# Altium PCB pcb.PcbDoc (part 3 of 3)
Units mil, origin at the board's own origin, x right, y up, seen from the top; angles counter-clockwise.
Board outline 4487.66 x 5255 mil, 2 copper layers (Top Layer, Bottom Layer); 214 components, 192 nets, 883 pads, 298 vias.
Unrouted connection lines stored in the file: 2.
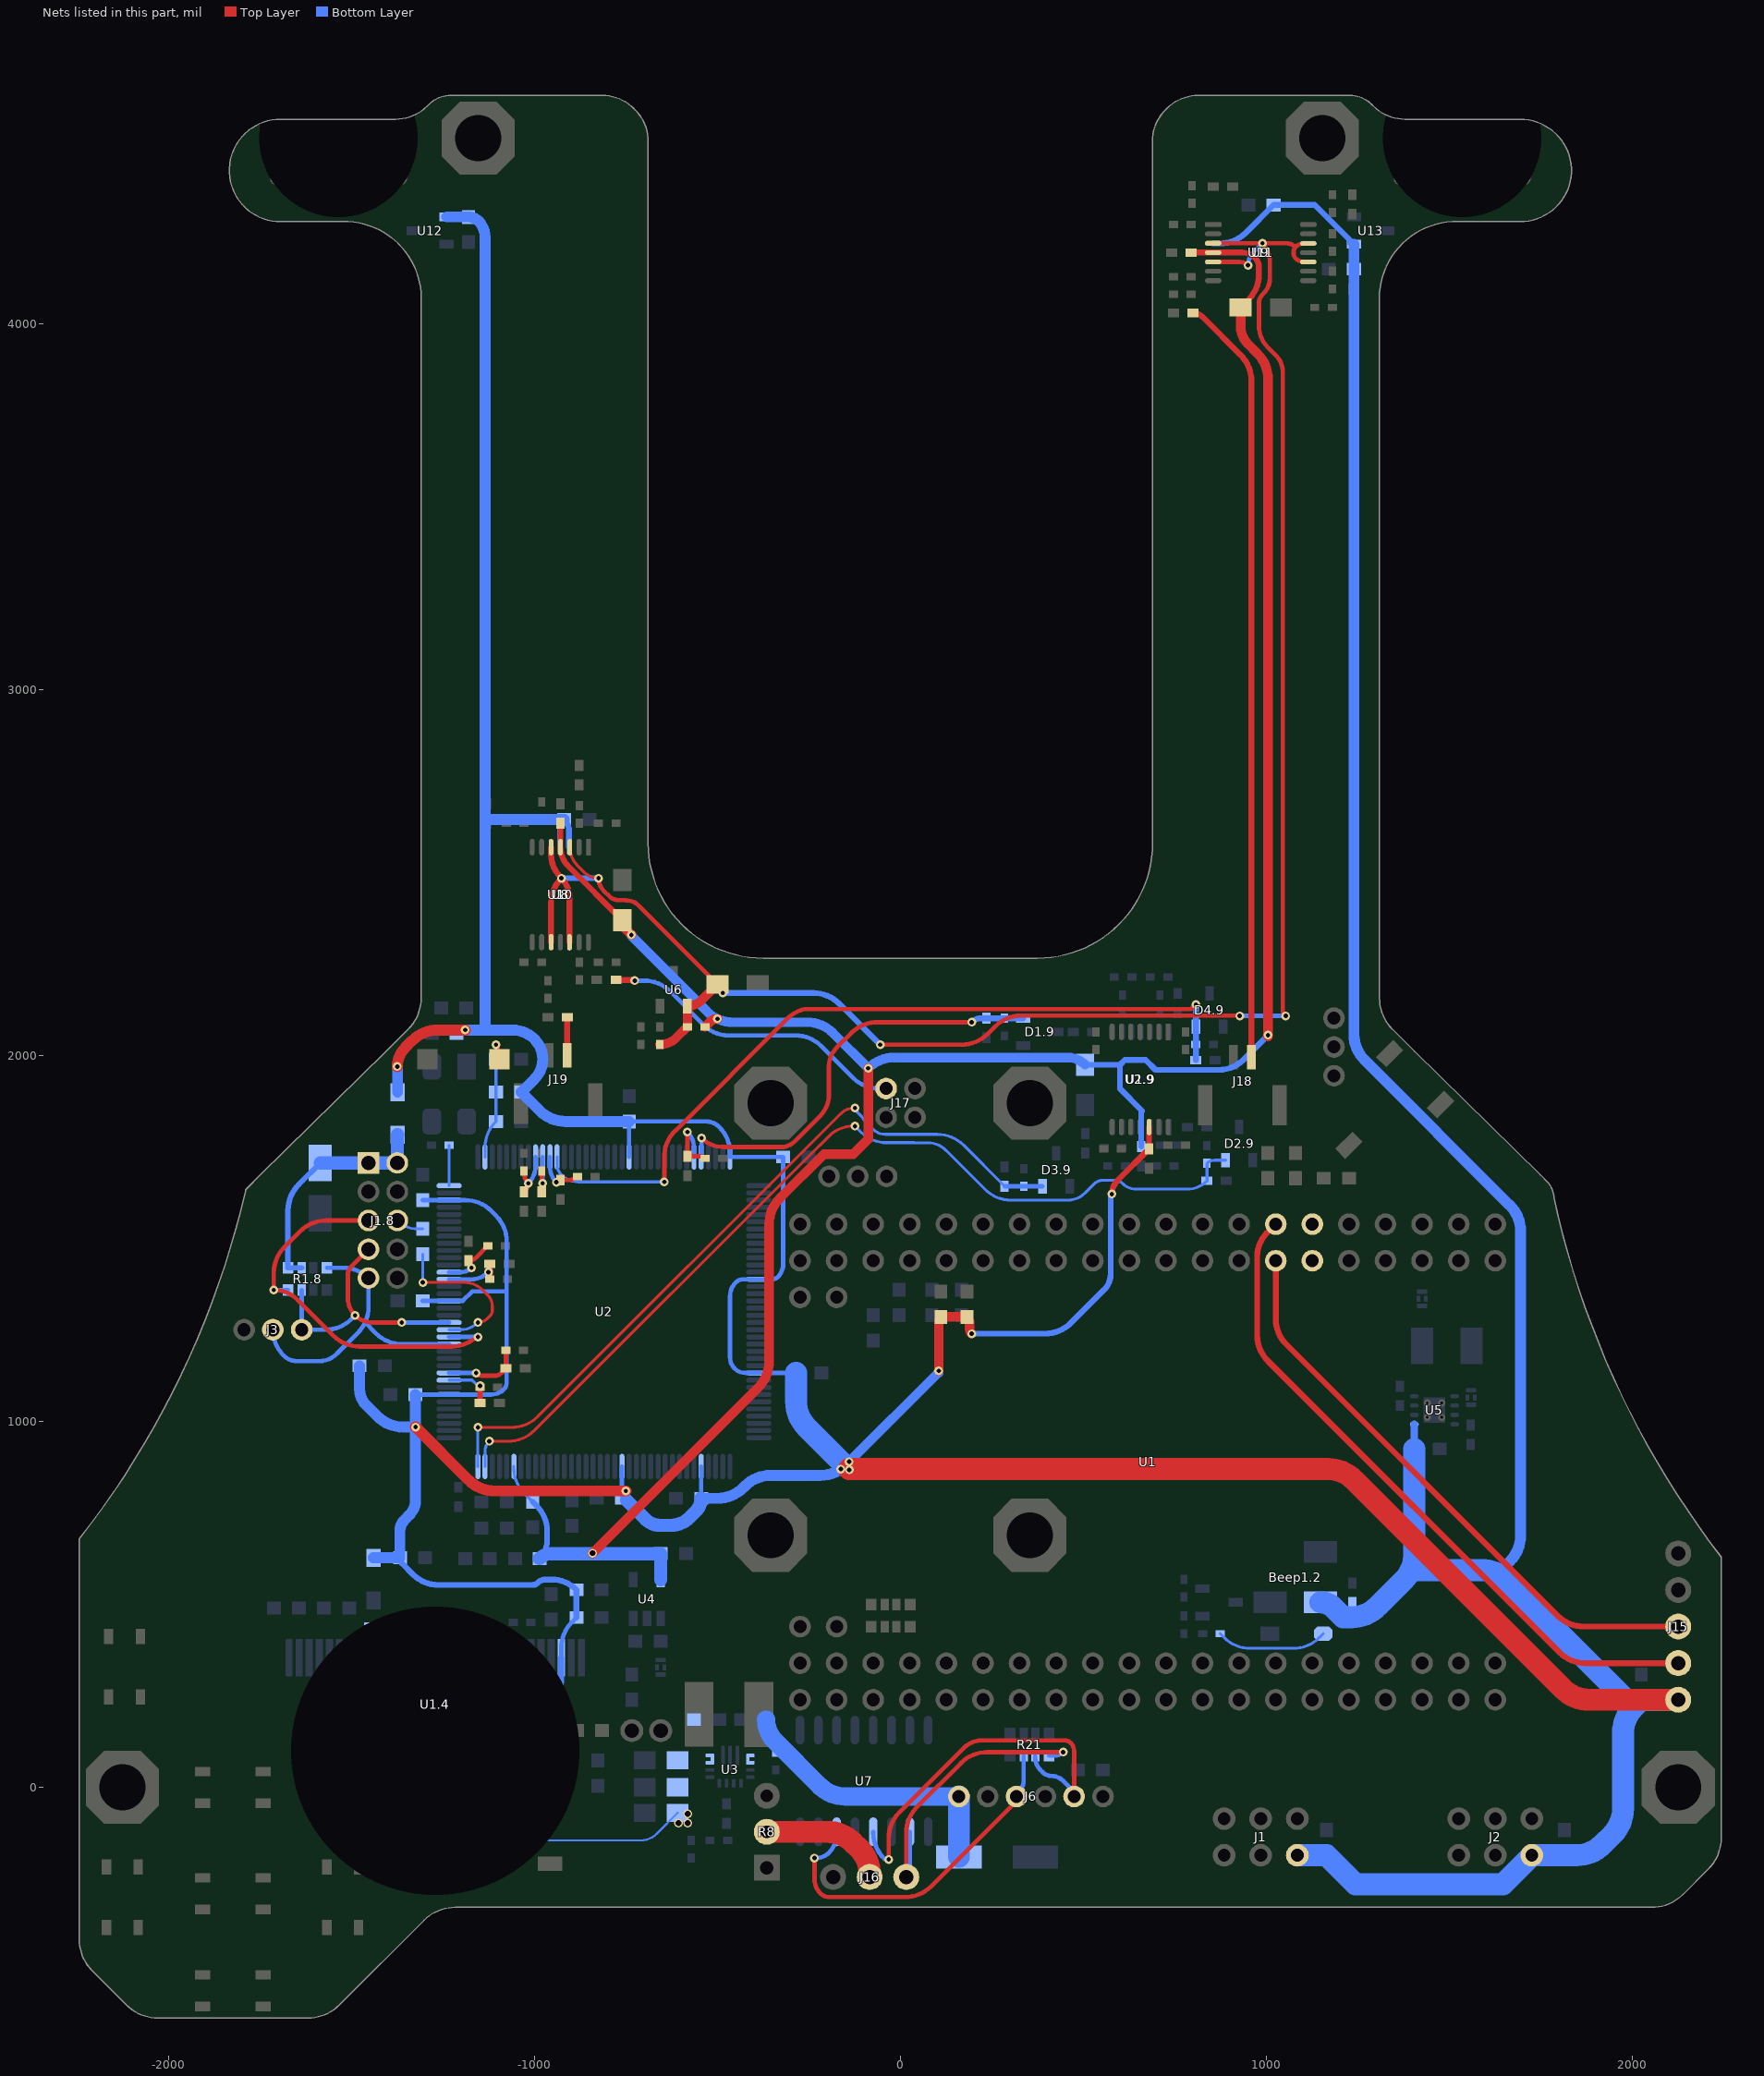
[diagram p3: the nets of this part, all layers, seen from the top]

## Via types
v1: diameter 24, hole 12, Top Layer to Bottom Layer, tented both sides, 283 vias
v2: diameter 23.62, hole 15.75, Top Layer to Bottom Layer, tented both sides, 10 vias
v3: diameter 24, hole 16, Top Layer to Bottom Layer, tented both sides, 2 vias
v4: diameter 23.62, hole 11.81, Top Layer to Bottom Layer, tented both sides, 2 vias
v5: diameter 59.06, hole 39.37, Top Layer to Bottom Layer, tented both sides, 1 vias

## Nets (pads, with @x,y where several pads share a name; then routed paths per layer and width w, separated by ;. In a path a pad name is that pad's centre, name@x,y a point inside that pad or via, vN(x,y) a via of type N, cw(c..) or ccw(c..) an arc to the next point about the centre after c; other vN are vias at no path point) (continued)
PH1: J6.4 R21.7 U7.14 | length 978.6
  Top Layer w12: v1(-234.62,-193.2) -234.62,-250.97 ccw(c-179.42,-250.97) -218.45,-290 ccw(c-194.31,-265.86) -194.31,-300 13.24,-300 ccw(c13.24,-200) 83.95,-270.71 308.94,-45.72 ccw(c288.22,-25) J6.4@317.52,-25
  Bottom Layer w12: v1(-234.62,-193.2) -230.21,-193.2 ccw(c-230.21,-143.29) -194.93,-178.58 ccw(c-245.47,-128.04) -173.99,-128.04 U7.14@-173.99,-121.57 ; J6.4@317.52,-25 ccw(c270,22.52) 337.21,22.52 R21.7@337.21,86.89
PH2: J6.2 R21.6 U7.12 | length 1096.9
  Top Layer w12: v1(-31.85,-197.11) -31.85,-139.17 cw(c68.15,-139.17) -2.56,-68.46 173.98,108.09 cw(c222.27,59.8) 222.27,128.09 450.85,128.09 cw(c450.85,108.08) 465,122.23 cw(c440.86,98.08) 475,98.08 J6.2@475,-25
  Bottom Layer w12: U7.12@-73.99,-121.57 -73.99,-123.64 ccw(c26.01,-123.64) -44.7,-194.35 -41.94,-197.11 v1(-31.85,-197.11) ; R21.6@368.7,86.89 368.7,81.43 ccw(c416.66,81.43) 382.75,47.52 389.51,40.75 ccw(c412.32,63.56) 412.32,31.31 cw(c412.32,-15.73) 445.57,17.54 465.73,-2.62 cw(c443.35,-25) J6.2@475,-25
PTA0: J1.8.9 J3.2 R1.8.4 U2.50 | length 842.7
  Bottom Layer w12: J3.2@-1714.65,1250.79 ccw(c-1615.32,1250.79) -1685.55,1180.55 -1685,1180 ccw(c-1648.79,1216.21) -1648.79,1165 -1588.28,1165 ccw(c-1588.28,1233.28) -1540,1185 -1482.65,1242.35 ccw(c-1553.36,1313.06) -1462.88,1270.47 ; R1.8.4@-1567.01,1420 -1521.16,1420 cw(c-1521.16,1324.11) J1.8.9@-1453.36,1391.91 -1453.36,1313.06 cw(c-1553.36,1313.06) -1462.88,1270.47 ; U2.50@-1233.1,1211.42 -1362.41,1211.42 cw(c-1362.41,1311.42) -1433.12,1240.71 -1462.88,1270.47
PTA1: J1.8.5 R1.8.8 U2.51 | length 1123.6
  Top Layer w12: J1.8.5@-1453.36,1549.39 -1569.18,1549.39 ccw(c-1569.18,1449.39) -1639.89,1520.11 -1682.87,1477.13 ccw(c-1612.16,1406.42) -1712.16,1406.42 v1(-1712.16,1359.37) cw(c-1712.16,1267.76) -1647.38,1332.54 -1549.13,1234.29 ccw(c-1478.42,1305) -1478.42,1205 -1225.91,1205 ccw(c-1225.91,1305) -1155.2,1234.29 -1154.49,1235 v1(-1154.49,1231.1)
  Bottom Layer w12: v1(-1712.16,1359.37) R1.8.8@-1673.31,1359.37 ; U2.51@-1233.1,1231.1 v1(-1154.49,1231.1)
PTA2: R2.8.2 U2.52 | length 451
  Top Layer w8: v1(-1305,1380) -1191.36,1380 cw(c-1191.36,1309.56) -1141.56,1359.37 -1127.6,1345.41 cw(c-1158.01,1315) -1115,1315 -1115,1302.23 cw(c-1132.07,1302.23) -1120,1290.16 -1129.22,1280.94 cw(c-1154.49,1306.21) v1(-1154.49,1270.47)
  Bottom Layer w8: v1(-1305,1380) R2.8.2@-1305,1457.38 ; U2.52@-1233.1,1250.79 -1202.01,1250.79 ccw(c-1202.01,1318) v1(-1154.49,1270.47)
PTA3: J1.8.7 J3.3 R1.8.7 U2.53 | length 736.5
  Top Layer w12: J1.8.7@-1453.36,1470.65 -1500.09,1423.92 ccw(c-1476.17,1400) -1510,1400 -1510,1338.44 ccw(c-1441.72,1338.44) v1(-1490,1290.16) ccw(c-1442.48,1337.68) -1442.48,1270.47 v1(-1362.41,1270.47)
  Bottom Layer w12: R1.8.7@-1635.91,1359.37 J3.3@-1635.91,1250.79 -1570.79,1250.79 ccw(c-1570.79,1350.79) -1500.08,1280.08 v1(-1490,1290.16) ; v1(-1362.41,1270.47) U2.53@-1233.1,1270.47
RESET_b: C17.2 R3.8.2 R7.1 SW7.2 U2.74 | length 357.5
  Top Layer w8: v1(-1105,2030) cw(c-1128.1,2006.9) -1095.43,2006.9 SW7.2@-1095.43,1990
  Bottom Layer w8: U2.74@-1134.8,1723.1 -1134.8,1748.78 cw(c-1034.8,1748.78) -1105.51,1819.49 R3.8.2@-1105,1820 R7.1@-1105,1900 C17.2@-1105,1990 v1(-1105,2030)
RXD: J15.3 U1.14 | length 1622.7
  Top Layer w16: U1.14@1026.01,1439.39 1026.01,1280.82 ccw(c1126.01,1280.82) 1055.3,1210.11 1796.72,468.68 ccw(c1867.43,539.39) 1867.43,439.39 J15.3@2125.98,439.39
S1: C48.1 J17.1 | length 843.2
  Top Layer w16: C48.1@-776.8,2206.8 v1@-725.71,2206.8
  Bottom Layer w12: v1(-725.71,2205) -700.12,2205 cw(c-700.12,2105) -629.41,2175.71 -536.84,2083.14 ccw(c-469.45,2150.52) -469.45,2055.22 -286.64,2055.22 cw(c-286.64,1955.22) -215.93,2025.93 -129.29,1939.29 ccw(c-58.58,2010) -58.58,1910 J17.1@-38.74,1910
S2: C41.1 J18.1 | length 2103.2
  Top Layer w16: C41.1@799.8,4030 cw(c799.8,3993.79) 825.41,4019.39 930.32,3914.48 cw(c859.61,3843.77) 959.61,3843.77 J18.1@959.61,1995.94
S3: C44.1 J19.1 | length 104.1
  Top Layer w16: J19.1@-910.39,2000.94 C44.1@-910.39,2105
SD_B1_01: J15.2 U1.13 | length 1858.3
  Top Layer w16: U1.13@1026.01,1539.39 1002.14,1515.53 ccw(c1067.67,1450) 975,1450 975,1236.42 ccw(c1075,1236.42) 1004.29,1165.71 1801.32,368.68 ccw(c1872.03,439.39) 1872.03,339.39 J15.2@2125.98,339.39
SD_B1_02: U1.12
SD_B1_03: U1.11
SE8: C42.2 R29.1 U2.81 | length 141.1
  Top Layer w12: C42.2@-1028.2,1628.13 -1024.58,1631.75 ccw(c-1043.62,1650.8) v1(-1016.69,1650.8) cw(c-988.91,1678.58) -1028.2,1678.58 R29.1@-1028.2,1685
  Bottom Layer w12: v1(-1016.69,1650.8) ccw(c-1064.22,1698.32) -997.01,1698.32 U2.81@-997.01,1723.1
SE9: C46.2 R35.1 U2.82 | length 130.6
  Top Layer w12: C46.2@-980,1628.13 -980,1644.33 cw(c-970.86,1644.33) v1(-977.32,1650.8) cw(c-970.86,1657.26) -980,1657.26 R35.1@-980,1685
  Bottom Layer w12: v1(-977.32,1650.8) U2.82@-977.32,1723.1
SE10: C43.2 R30.1 U2.59 | length 155.4
  Top Layer w16: R30.1@-1121.68,1388.58 C43.2@-1121.68,1431.21
  Bottom Layer w12: U2.59@-1233.1,1388.58 -1173.09,1388.58 ccw(c-1173.09,1455.79) v1(-1125.56,1408.27)
SE11: C38.2 R23.1 U2.60 | length 154.4
  Top Layer w12: v1(-1171.64,1420) ccw(c-1198.11,1420) -1179.39,1438.72 C38.2@-1180.06,1439.39 ccw(c-1180.06,1467.97) -1159.86,1447.77 R23.1@-1127.62,1480
  Bottom Layer w12: U2.60@-1233.1,1408.27 -1199.96,1408.27 ccw(c-1199.96,1448.32) v1(-1171.64,1420)
SE12: C50.2 R41.1 U2.83 | length 125.9
  Top Layer w12: C50.2@-928.82,1659.97 -905.05,1659.97 ccw(c-905.05,1691.79) R41.1@-882.54,1669.29
  Bottom Layer w12: U2.83@-957.64,1723.1 -957.64,1696.51 ccw(c-897.42,1696.51) -957.3,1690.11 ccw(c-897.42,1696.51) v1(-940,1653.93) v1@-940,1650.68
SE13: C8.9.2 D4.9.2 R20.9.1 U2.84 | length 2200.8
  Top Layer w12: v1(-645,1655) -645,1723.58 cw(c-545,1723.58) -615.71,1794.29 -309.55,2100.45 cw(c-238.84,2029.74) -299.32,2109.38 cw(c-238.84,2029.74) -262.22,2126.97 cw(c-259.46,2115.29) -259.41,2127.29 794.57,2127.29 807.16,2139.88 v1(807.6,2139.88)
  Bottom Layer w8: U2.84@-937.95,1723.1 -937.95,1702.25 ccw(c-898.17,1702.25) -926.3,1674.12 ccw(c-880.15,1720.27) -880.15,1655 v1(-645,1655)
  Bottom Layer w16: C8.9.2@807.6,1987.67 R20.9.1@807.6,2030 D4.9.2@807.6,2079.45 v1(807.6,2139.88)
SE14: C47.2 R36.1 U2.103 | length 191.2
  Top Layer w12: v1@-584.54,1791.17 v1(-581.68,1791.17) C47.2@-581.68,1725 -548.06,1725 cw(c-548.06,1705.01) R36.1@-533.92,1719.14
  Bottom Layer w12: v1(-581.68,1791.17) cw(c-624.51,1748.34) -563.94,1748.34 U2.103@-563.94,1723.1
SE15: C3.9.2 D1.9.2 R9.9.1 U2.104 | length 1151.3
  Top Layer w12: v1(-543.3,1775) ccw(c-482.94,1835.36) -482.94,1750 -325.56,1750 ccw(c-325.56,1800.56) -289.84,1764.78 ; -289.81,1764.81 -219.04,1835.58 ccw(c-277.08,1893.62) -195,1893.62 -195,1971.12 cw(c-123.27,1971.12) -173.99,2021.84 -133.79,2062.03 cw(c-63.08,1991.32) -70.33,2091.06 cw(c-63.08,1991.32) -63.08,2091.32 v1(195,2091.32)
  Bottom Layer w12: U2.104@-544.25,1723.1 ccw(c-555.46,1727.4) -543.46,1727.45 -543.46,1750.71 cw(c-524.57,1750.71) -543.36,1752.64 ccw(c-555.3,1753.87) -543.3,1753.92 v1(-543.3,1775)
  Bottom Layer w16: v1(195,2091.32) cw(c220.98,2065.34) 220.98,2102.09 C3.9.2@235,2102.09 R9.9.1@285,2102.09 D1.9.2@335.46,2102.09
SE16: C7.9.2 D3.9.2 R19.9.1 U2.36 | length 2091.7
  Top Layer w8: v1(-1154.49,983.92) -1061.71,983.92 ccw(c-1061.71,1083.92) -991,1013.21 -163.24,1840.97 ; -163.21,1841 cw(c-124.21,1801.94) v1(-124.21,1857.13)
  Bottom Layer w8: U2.36@-1154.49,876.9 v1(-1154.49,983.92) ; v1(-124.21,1857.13) -124.21,1852.8 -117.82,1846.41 -117.82,1845.59 -106.58,1834.36 ccw(c-45.49,1870.08) -95.53,1820.04 -73.99,1798.5 ccw(c-40.99,1831.5) -40.99,1784.83 101.62,1784.83 cw(c101.62,1684.83) 172.33,1755.54 C7.9.2@285,1642.87
  Bottom Layer w12: C7.9.2@285,1642.87 R19.9.1@337.73,1642.87 D3.9.2@388.61,1642.87
SE17: C51.2 R42.1 U2.45 | length 134.2
  Top Layer w16: C51.2@-1148.48,1050.28 R42.1@-1148.48,1093.44
  Bottom Layer w8: U2.45@-1233.1,1112.99 -1170.42,1112.99 -1155.03,1097.61 v1(-1148.48,1097.61)
SE18: C39.2 R24.1 U2.46 | length 214.5
  Top Layer w12: v1(-1159.51,1132.68) ccw(c-1140.98,1151.21) -1140.98,1125 -1108.58,1125 ccw(c-1108.58,1151.1) -1090.12,1132.64 C39.2@-1077.77,1145 R24.1@-1077.77,1195
  Bottom Layer w12: U2.46@-1233.1,1132.68 v1(-1159.51,1132.68)
SE22: C4.9.2 D2.9.2 R10.9.1 U2.35 | length 2585.7
  Top Layer w8: v1(-1123.2,946.01) -1070.89,946.01 ccw(c-1070.89,1046.01) -1000.18,975.3 -250.48,1725 -250,1725 -195,1780 cw(c-129.06,1714.06) -129.06,1807.31 v1(-124.21,1807.31)
  Bottom Layer w8: U2.35@-1134.8,876.9 -1134.8,918 cw(c-1095.19,918) v1(-1123.2,946.01) ; v1(-124.21,1807.31) -108.07,1791.17 ccw(c-37.36,1861.88) -46.78,1762.33 ccw(c-46.01,1770.29) -46.01,1762.29 33.58,1762.29 cw(c33.58,1649.29) 42.85,1761.91 ccw(c43.51,1769.88) 43.51,1761.88 74.69,1761.88 cw(c74.69,1691.33) 124.58,1741.22 231.51,1634.29 ccw(c302.22,1705) 302.22,1605 457.19,1605 ccw(c457.19,1672.61) 505,1624.8 530.36,1650.17 cw(c551.53,1629.01) 551.53,1658.93 587.4,1658.93 cw(c587.4,1631.15) 607.05,1650.8 ccw(c645.18,1688.93) 645.18,1635 783.65,1635 ccw(c783.65,1711.86) C4.9.2@838,1657.51 R10.9.1@838,1705.71 cw(c858.71,1685) 858.71,1714.29 D2.9.2@888.61,1714.29
STEER: J16.1 R21.5 U7.10 | length 824
  Top Layer w12: J16.1@16.28,-245.13 16.28,-124.36 cw(c116.28,-124.36) 45.57,-53.65 166.05,66.83 cw(c236.76,-3.88) 236.76,96.12 v1(445,96.12)
  Bottom Layer w12: J16.1@16.28,-245.13 ccw(c-7.2,-221.65) 26.01,-221.65 U7.10@26.01,-121.57 ; R21.5@406.1,86.89 422.72,86.89 ccw(c422.72,118.4) v1(445,96.12)
TDO: J1.8.6 R2.8.1 | length 75.8
  Bottom Layer w8: J1.8.6@-1374.62,1549.39 ccw(c-1319.05,1604.96) -1319.05,1526.38 R2.8.1@-1305,1526.38
Vadj: C19.2 C20.2 C21.2 C22.2 J16.2 R8.2 R10.2 R15.1 U3.7 U3.8 | length 1208.2
  Top Layer w6: v1(-1331.82,-85) R15.1@-1331.82,-121.8 -1331.6,-121.57 R10.2@-1285,-121.57
  Top Layer w60: R8.2@-365,-121.57 -199.85,-121.57 cw(c-199.85,-221.57) -129.14,-150.86 -113.01,-166.99 cw(c-183.72,-237.7) -83.72,-237.7 J16.2@-83.72,-245.13
  Bottom Layer w6: v1(-1331.82,-85) -1301.11,-115.71 ccw(c-1230.4,-45) -1230.4,-145 -710.03,-145 ccw(c-710.03,-81.27) -664.96,-126.33 C22.2@-608.63,-70
  other v2: -606.49,-98 -581.18,-98 -581.18,-72.28
VCC: Beep1.2.1 C1.2.2 C3.2 C3.4.2 C4.2 C4.4.2 C5.2 C6.2 C6.4.2 C7.2 C7.4.2 C8.2 C9.2 C9.9.2 C11.2 C29.2 C54.2 C55.1 C56.2 C57.2 C58.2 C59.2 C60.2 D1.2.2 D1.4.1 D1.8.2 J1.2 J2.2 J15.1 L2.2 R1.2.2 R4.1 R7.2 R47.1 R48.1 U1.4.9 U1.4.28 U2.5 U2.9.12 U2.16 U2.43 U2.56 U2.70 U2.94 U2.108 U2.122 U2.135 U5.1 U10.11 U10.12 U11.12 U12.1 U13.1 | length 22073.9
  Top Layer w16: v1(578.23,1621.57) cw(c631.07,1621.57) 593.71,1658.93 C9.9.2@679.77,1745 U2.9.12@679.77,1804.68
  Top Layer w26: v1(105,1138.49) 105,1271.46 cw(c125.56,1271.46) R47.1@111.02,1286 R48.1@182.3,1286 cw(c165.07,1268.77) 189.44,1268.77 189.44,1253.42 ccw(c208.42,1253.42) v1(195,1240)
  Top Layer w30: v1(-1374.62,1970) cw(c-1301.28,1970) -1353.14,2021.86 -1334.29,2040.71 cw(c-1263.58,1970) -1263.58,2070 v1(-1189.28,2070) ; v1(-1325,985) -1179.29,839.29 ccw(c-1108.58,910) -1108.58,810 v1(-750,810)
  Top Layer w60: v1@-140,870 1168.58,870 cw(c1168.58,770) 1239.29,840.71 1811.32,268.68 ccw(c1882.03,339.39) 1882.03,239.39 J15.1@2125.98,239.39
  Bottom Layer w8: R1.2.2@874.21,420 884.92,409.29 ccw(c955.63,480) 955.63,380 1074.42,380 ccw(c1074.42,480) 1145.14,409.29 D1.2.2@1155.85,420
  Bottom Layer w12: U1.4.9@-1450.21,354.39 -1450,354.6 C7.4.2@-1450,440 ; C5.2@-1325,1073.62 U2.43@-1233.1,1073.62 -1117.97,1073.62 ccw(c-1117.97,1122.37) -1083.5,1087.9 ccw(c-1102.2,1106.61) -1075.75,1106.61 -1075.75,1355.66 ; C9.2@-1305,1329.53 U2.56@-1233.1,1329.53 -1232.76,1329.87 -1195.53,1329.87 -1169.73,1355.66 -1075.75,1355.66 ; C11.2@-1305,1605.12 U2.70@-1233.1,1605.12 -1188.88,1605.12 cw(c-1188.88,1505.12) -1118.17,1575.83 -1105.04,1562.7 cw(c-1175.75,1491.99) -1075.75,1491.99 -1075.75,1355.66 ; U1.4.28@-926.59,354.39 -926.59,381.13 cw(c-826.59,381.13) -897.3,451.84 C4.4.2@-885,464.14 ; U2.16@-760.79,876.9 -760.79,797.14 C8.2@-748.62,784.98 ; U2.94@-741.1,1723.1 C6.2@-741.1,1820 -531.21,1820 cw(c-531.21,1768.79) -495,1805 -494.8,1804.8 cw(c-565.51,1734.09) -469.45,1761.88 ccw(c-457.92,1765.22) -468.52,1759.58 cw(c-485.2,1750.71) -466.31,1750.71 -466.31,1747.41 ccw(c-454.31,1747.41) -466.22,1745.99 cw(c-565.51,1734.09) -465.51,1734.09 U2.108@-465.51,1723.1 C3.2@-320,1723.1 -320,1431.21 cw(c-371.21,1431.21) -335,1395 cw(c-350.49,1410.49) -350.49,1388.58 U2.122@-386.9,1388.58 -429.28,1388.58 ccw(c-429.28,1359.28) -450,1380 ccw(c-412.55,1342.55) -465.51,1342.55 -465.51,1174.9 ccw(c-423.23,1174.9) -453.13,1145 ccw(c-423.38,1174.75) -423.38,1132.68 U2.135@-386.9,1132.68 C4.2@-285.03,1132.68 ; C7.2@-544.25,790 U2.5@-544.25,876.9
  Bottom Layer w16: U1.4.9@-1450.21,354.39 -1450.21,314.82 ccw(c-1350.21,314.82) -1420.92,244.11 -1367.53,190.72 ccw(c-1340.25,218) -1340.25,179.42 -1046.91,179.42 ccw(c-1046.91,279.42) -976.19,208.71 -955.88,229.02 ccw(c-1026.59,299.73) -926.59,299.73 U1.4.28@-926.59,354.39 ; C6.4.2@-1367.53,627.62 ccw(c-1343.31,627.62) -1360.44,610.5 -1331.82,581.88 ccw(c-1262.53,651.17) -1262.53,553.18 -1004.9,553.18 ccw(c-1004.9,572.95) -990.92,558.97 cw(c-969.25,537.31) -969.25,567.95 -952.47,567.95 cw(c-952.47,472.53) C3.4.2@-885,540 C4.4.2@-885,464.14 ; U10.11@-930,2569.84 -930,2616.68 cw(c-889.94,2616.68) C54.2@-918.27,2645 cw(c-949.75,2613.52) -905.23,2613.52 U10.12@-905.23,2570.16 ; v1(195,1240) 395.5,1240 ccw(c395.5,1340) 466.21,1269.29 556.8,1359.88 ccw(c512.86,1403.82) 575,1403.82 575,1613.77 cw(c586.02,1613.77) v1(578.23,1621.57) ; U11.12@854.68,4219.77 873.35,4219.77 ccw(c873.35,4319.77) 944.06,4249.06 C55.1@1020,4325 1132.32,4325 1228.04,4229.28 1228.04,4221.41 1231.85,4217.6 U13.1@1239.72,4217.6
  Bottom Layer w19.68: C29.2@1404.76,925 U5.1@1404.76,992.41
  Bottom Layer w26: v1(-140,890) 101.54,1131.54 cw(c104.29,1128.79) 104.29,1132.68 ccw(c102.57,1134.39) 105,1134.39 v1(105,1138.49)
  Bottom Layer w30: R4.1@-1477.77,1152.36 -1477.77,1087.9 ccw(c-1417.1,1087.9) -1460,1045 -1429.29,1014.29 ccw(c-1358.58,1085) -1358.58,985 v1(-1325,985) ; D1.4.1@-1440,627.62 C6.4.2@-1367.53,627.62 -1367.53,700 cw(c-1322.32,700) -1354.29,731.97 -1340.89,745.37 ccw(c-1379.24,783.72) -1325,783.72 v1(-1325,985) ; v1(-1374.62,1970) cw(c-1376.12,1968.5) -1374,1968.5 D1.8.2@-1374,1900 ; C5.2@-1325,1073.62 v1(-1325,985) ; U12.1@-1239.72,4292.4 C56.2@-1180,4292.4 cw(c-1180,4254.04) -1152.88,4281.17 cw(c-1196.51,4237.53) -1134.8,4237.53 -1134.8,2645 ; v1(-1189.28,2070) -1134.8,2070 ; C54.2@-918.27,2645 -1134.8,2645 ; C6.2@-741.1,1820 -914.58,1820 cw(c-914.58,1920) -985.29,1849.29 R7.2@-1036,1900 -999.47,1936.53 ccw(c-1052.94,1990) -977.32,1990 -977.32,1990.25 ccw(c-1054.75,1990.25) -1000,2045 ccw(c-1060.36,1984.64) -1060.36,2070 -1134.8,2070 ; C7.2@-544.25,790 -499.43,790 ccw(c-499.43,890) -428.72,819.29 -424.56,823.45 cw(c-354.3,753.18) -354.3,852.55 -218.87,852.55 ccw(c-218.87,952.55) -150.98,879.13 ccw(c-218.87,952.55) -148.16,881.84 v1(-140,890) ; U13.1@1239.72,4217.6 C57.2@1239.72,4150 1239.72,2058.38 ccw(c1339.72,2058.38) 1269.01,1987.67 1665.71,1590.97 cw(c1595,1520.26) 1695,1520.26 1695,688.16 cw(c1595,688.16) 1665.71,617.45 1631.84,583.58 ; -1134.8,2070 -1134.8,2645
  Bottom Layer w36: C8.2@-748.59,784.95 -695.61,731.97 ccw(c-657.63,769.95) -657.63,716.23 -627.36,716.23 ccw(c-627.36,788.89) -575.98,737.51 -558.93,754.57 ccw(c-594.36,790) C7.2@-544.25,790
  Bottom Layer w60: C4.2@-285.03,1132.68 -285.03,1054.6 ccw(c-185.03,1054.6) -255.74,983.89 -150.98,879.13 ; J1.2@1085,-185.61 C60.2@1165,-185.61 1244.39,-265 1646.62,-265 J2.2@1726.01,-185.61 C59.2@1815,-185.61 1847.97,-185.61 ccw(c1847.97,-85.61) 1918.68,-156.32 1945.71,-129.29 ccw(c1875,-58.58) 1975,-58.58 1975,147.97 cw(c2075,147.97) 2004.29,218.68 ; Beep1.2.1@1147.97,505.6 cw(c1147.97,453.86) 1184.55,490.45 1210,465 1232.98,465 ccw(c1232.98,565) 1303.69,494.29 1375.47,566.08 ccw(c1304.76,636.79) 1395.07,593.84 ; C29.2@1404.76,925 1404.76,636.79 cw(c1304.76,636.79) 1395.07,593.84 ; J15.1@2125.98,239.39 C58.2@2025,239.39 2004.29,218.68 ; 1395.07,593.84 1587.71,593.84 cw(c1587.71,493.84) 1631.84,583.58 cw(c1587.71,493.84) 1658.42,564.55 2004.29,218.68
  other v1: -139.55,867.64 -162.71,869.81
VDDA: C10.9.1 C11.9.1 C12.2 C25.2 C32.1 C33.1 C34.2 C35.2 L1.1 R18.2 U1.9.4 U2.31 U4.5 U8.4 U9.4 | length 7338.3
  Top Layer w16: C34.2@-928.82,2635 U8.4@-928.82,2569.84 ccw(c-853.92,2569.84) -906.88,2516.88 C32.1@-760,2370 ; C35.2@795,4195 U9.4@855,4195 933.79,4195 cw(c933.79,4143.79) 970,4180 cw(c945.86,4155.86) 980,4155.86 980,4135 cw(c883.43,4135) 951.72,4066.72 C33.1@930,4045
  Top Layer w26: v2(-841.26,640) -387.82,1093.44 ccw(c-458.53,1164.15) -358.53,1164.15 -358.53,1539.26 cw(c-258.53,1539.26) -329.24,1609.97 -208.44,1730.77 -129.23,1730.77 -87.64,1772.36 v1(-87.64,1965.58) ; C32.1@-760,2370 ccw(c-723.79,2370) -749.39,2344.39 v1(-735,2330) ; R18.2@-533.92,2078.52 -520.64,2091.81 cw(c-499.68,2070.86) v1(-499.68,2100.49) ; C33.1@930,4045 930,3993.28 ccw(c998.28,3993.28) 950,3945 975.71,3919.29 cw(c905,3848.58) 1005,3848.58 v1(1005,2055.89) v1@1005,2052.93
  Bottom Layer w8: U2.31@-1056.06,876.9 -1056.06,873.08 ccw(c-956.06,873.08) -1053.47,850.45 cw(c-1061.26,848.64) -1053.26,848.84 ccw(c-1036.38,849.29) -1050.78,840.46 cw(c-1057.6,836.28) -1050.08,839.01 ccw(c-956.06,873.08) -1026.77,802.37 C12.2@-1004.4,780
  Bottom Layer w15: C12.2@-1004.4,780 -994.29,769.89 cw(c-1065,699.18) -965,699.18 -965,676.14 cw(c-1037.33,676.14) L1.1@-986.18,625
  Bottom Layer w16: C11.9.1@505,1975 600.06,1975 ; C10.9.1@658.23,1751.33 U1.9.4@658.23,1804.84 658.23,1845.99 660.46,1848.22 660.46,1849.6 600.06,1910 600.06,1975 ; v1(1005,2055.89) 937.89,1988.78 cw(c870.81,2055.86) 870.81,1961 697.5,1961 670,1988.5 613.56,1988.5 600.06,1975
  Bottom Layer w26: v1(-735,2330) ccw(c-727.97,2330) -732.94,2325.03 -528.45,2120.53 ccw(c-457.92,2191.06) -457.92,2091.32 -254.81,2091.32 cw(c-254.81,1991.32) -184.1,2062.03 v1(-87.64,1965.58) cw(c-16.93,1894.86) -16.93,1994.86 457.04,1994.86 cw(c457.04,1927.04) C11.9.1@505,1975
  Bottom Layer w36: L1.1@-986.18,625 cw(c-953.31,592.12) -953.31,638.62 C25.2@-655,638.62 U4.5@-655,567.95
VJ: C1.8.1 D1.8.1 J1.8.1 J1.8.2 R1.8.1 R1.8.2 | length 644.1
  Bottom Layer w15: R1.8.2@-1635.91,1420 R1.8.1@-1673.31,1420 -1673.31,1577.15 cw(c-1573.31,1577.15) -1644.02,1647.86 C1.8.1@-1585,1706.87
  Bottom Layer w36: C1.8.1@-1585,1706.87 J1.8.1@-1453.36,1706.87 J1.8.2@-1374.62,1706.87 -1374.62,1782.36 cw(c-1372.5,1782.36) D1.8.1@-1374,1783.86
Vm: C18.1 C52.1 J6.6 R9.1 U3.12 U3.13 | length 791.1
  Bottom Layer w50: C18.1@-366.67,185 ccw(c-283.06,185) -342.19,125.89 -220.59,4.29 ccw(c-149.88,75) -149.88,-25 J6.6@160.04,-25
  Bottom Layer w60: C52.1@160.04,-190 J6.6@160.04,-25
Vref: C31.1 R18.1 R19.2 U6.2 U8.3 U8.5 U8.10 U8.12 U9.3 U9.5 U9.10 U9.12 | length 5655.3
  Top Layer w8: U8.3@-903.23,2569.84 ccw(c-832.61,2569.84) -882.54,2519.9 -863.69,2501.05 ccw(c-824.94,2539.81) v1(-824.94,2485)
  Top Layer w12: v1(-824.94,2485) ccw(c-776.5,2485) -810.75,2450.75 -795,2435 ccw(c-770.86,2459.14) -770.86,2425 -760,2425 cw(c-760,2327.02) -749.39,2424.42 cw(c-749.39,2375.45) -728.93,2419.94 cw(c-749.39,2375.45) -714.77,2410.09 C31.1@-499.68,2195 ; v1(-55,2030) 168.02,2030 ccw(c168.02,2130) 238.73,2059.29 259.53,2080.09 cw(c330.24,2009.38) 330.24,2109.38 926.58,2109.38 v1(927.37,2108.59) ; U9.5@855,4169.41 928.06,4169.41 cw(c928.06,4138.33) v1(950.04,4160.31) ; U9.3@855,4220.59 v1(990,4220.59) ; v1@1045,2108.19 v1@1045,2108.59 ; v1(1053.27,2108.59) 1053.27,2111.83 1045,2120.1 1045,3870 ccw(c984.64,3870) 1027.32,3912.68 1005,3935 cw(c1065.36,3995.36) 980,3995.36 980,4056.48 cw(c1014.14,4056.48) 990,4080.62 992.76,4083.38 ccw(c951.14,4125) 1010,4125 1010,4172.31 ccw(c941.72,4172.31) v1(990,4220.59) ; U9.10@1114.84,4169.41 1103.85,4169.41 cw(c1103.85,4203.14) 1080,4179.29 cw(c1092.07,4191.36) 1075,4191.36 1075,4197.98 cw(c1091.95,4197.98) 1079.96,4209.96 1080,4210 ; U9.12@1115.16,4219.77 1103.59,4219.77 ccw(c1103.59,4186.41) 1080,4210 ; v1(990,4220.59) 1054.43,4220.59 cw(c1054.43,4184.43) 1080,4210
  Top Layer w16: U8.10@-954.41,2310 -954.41,2417.14 cw(c-858.44,2417.14) v1(-926.3,2485) ; U8.5@-954.41,2569.84 -954.41,2548.93 ccw(c-871.07,2548.93) -930,2490 -927.22,2487.22 cw(c-929.44,2485) v1(-926.3,2485) ; U8.12@-904.05,2309.68 -904.05,2431.27 ccw(c-980.03,2431.27) v1(-926.3,2485)
  Top Layer w25: R19.2@-656.93,2030.32 ccw(c-656.93,2094.55) -611.51,2049.13 R18.1@-582.12,2078.52 U6.2@-582.12,2135.32 ccw(c-582.12,2190.27) -556.44,2141.69 ccw(c-582.12,2190.27) -543.3,2151.39 C31.1@-499.68,2195
  Bottom Layer w12: v1(927.37,2108.59) v1@1044.6,2108.59 ; v1(950.04,4160.31) cw(c999.1,4160.31) 964.41,4195 v1(990,4220.59)
  Bottom Layer w16: v1(-926.3,2485) v1(-824.94,2485) ; v1(-485,2171.23) -237.65,2171.23 cw(c-237.65,2071.23) -166.94,2141.94 v1(-55,2030)
XTAL: R5.1 U2.72 | length 110.5
  Bottom Layer w8: U2.72@-1233.1,1644.49 R5.1@-1233.1,1755
pads on no net: Beep1.2.3 J1.5 J1.6 J2.5 J2.6 J5.0 J7.0 J8.0 J9.0 J10.0 J11.0 J13.0 J14.0 J18.3 J18.4 J19.3 J19.4 R8.1 SW9.1 U1.3 U1.4 U1.4.0 U1.4.20 U1.7 U1.8 U1.15 U1.16 U1.17 U1.18 U1.19 U1.20 U1.21 U1.22 U1.37 U1.52 U1.65 U1.67 U1.68 U1.69 U1.70 U1.71 U1.72 U1.73 U1.74 U1.75 U1.76 U1.77 U1.78 U2.1 U2.2 U2.3 U2.4 U2.7 U2.8 U2.9 U2.10 U2.11 U2.12 U2.13 U2.14 U2.15 U2.19 U2.20 U2.25 U2.26 U2.27 U2.28 U2.29 U2.30 U2.38 U2.39 U2.40 U2.41 U2.42 U2.47 U2.48 U2.49 U2.58 U2.61 U2.62 U2.63 U2.64 U2.65 U2.66 U2.67 U2.68 U2.69 U2.73 U2.75 U2.76 U2.77 U2.78 U2.79 U2.80 U2.85 U2.86 U2.87 U2.88 U2.89 U2.90 U2.91 U2.92 U2.95 U2.96 U2.97 U2.98 U2.99 U2.100 U2.101 U2.102 U2.105 U2.106 U2.109 U2.110 U2.111 U2.112 U2.113 U2.114 U2.115 U2.116 U2.117 U2.118 U2.119 U2.120 U2.125 U2.126 U2.127 U2.128 U2.129 U2.130 U2.131 U2.132 U2.133 U2.136 U2.137 U2.138 U2.139 U2.140 U2.141 U2.142 U2.143 U2.144 U4.4 U5.V Y1.1

## Polygon pours and split planes (outlines as drawn)
AGND on Bottom Layer "NONET_L01_P-001" (solid, remove dead copper, pour order 6): 902.1,1621.57 981.35,1621.57 ccw(c981.35,1721.57) 1052.06,1650.86 1074.78,1673.58 ccw(c1004.07,1744.29) 1104.07,1744.29 1104.07,2084.94 ccw(c1004.07,2084.94) 1074.78,2155.65 1031.42,2199.02 cw(c1066.87,2234.46) 1016.74,2234.46 1016.74,2289.57
GND on Bottom Layer "NONET_L01_P-001" (solid, remove dead copper, pour order 5): -2145,4955 -1954.29,4764.29 ccw(c-1883.58,4835) -1883.58,4735 3055,4735 3055,-838.58 ccw(c3155,-838.58) 3084.29,-909.29 2994.29,-819.29 ccw(c2923.58,-890) 2923.58,-790 -2730,-790
AGND on Bottom Layer "NONET_L01_P-001" (solid, remove dead copper, pour order 4): 1026.01,1746.89 cw(c926.01,1746.89) 996.72,1676.18 963.41,1642.87 cw(c914.4,1691.89) 914.4,1622.57 284.65,1622.57 cw(c284.65,1722.57) 213.94,1651.86 132.8,1733 ccw(c62.09,1662.29) 62.09,1762.29 -49.78,1762.29 cw(c-49.78,1862.29) -120.49,1791.58 -160.17,1831.26 cw(c-122.66,1868.77) -175.71,1868.77 -175.71,1965.58 ccw(c-222.89,1965.58) -189.53,1998.94 -222.69,2032.1 ccw(c-278.52,1976.26) -278.52,2055.22 -539.82,2055.22 cw(c-539.82,2155.22) -610.53,2084.51 -790.55,2264.53 cw(c-719.84,2335.24) -819.84,2335.24 -819.84,2669.6 ccw(c-919.84,2669.6) -849.13,2740.31 -1030.71,2921.89 cw(c-960,2992.6) -1060,2992.6 -1060,4206.41 ccw(c-1160,4206.41) -1089.29,4277.12 -1152.88,4340.71 ccw(c-1187.37,4306.21) -1187.37,4355 -1295,4355 ccw(c-1295,4294.64) -1337.68,4337.32 -1485,4190 -1846.18,4190 cw(c-1846.18,4290) -1916.89,4219.29 -1990,4292.4 ccw(c-2014.14,4316.54) -1980,4316.54 -1980,4800 1623.58,4800 cw(c1623.58,4700) 1694.29,4770.71 1910,4555 1910,4451.42 cw(c1810,4451.42) 1880.71,4380.71 1805.7,4305.7 cw(c1734.99,4376.42) 1734.99,4276.42 1410.28,4276.42 cw(c1410.28,4376.42) 1339.57,4305.7 1330.28,4315 ccw(c1269.92,4254.64) 1269.92,4340 926.42,4340 ccw(c926.42,4240) 855.71,4310.71 830,4285 ccw(c885.44,4229.56) 807.03,4229.56 807.03,4080 ccw(c880.1,4080) 828.43,4028.34 990.71,3866.06 cw(c920,3795.35) 1020,3795.35 1020,2196.67 ccw(c1040.52,2196.67) 1026.01,2182.16
AGND on Bottom Layer "NONET_L01_P-001" (solid, remove dead copper, pour order 0): -1125.1,975.2 ccw(c-1160.31,890.55) -1195.53,975.2 -1233.1,946.01 ccw(c-1099.72,890.74) -1233.1,835.48 -1233.1,650.77 ccw(c-1154.24,650.77) -1210,595 ccw(c-1161.09,624.84) -1174.58,569.15 -815.68,569.15 cw(c-808.98,541.6) -799.89,568.46 cw(c-847.12,531.23) -788.04,520 -761.16,347.39 ccw(c-704.06,352.1) -741.1,308.39 ccw(c-708.76,340.73) -708.77,295 -635.64,295 ccw(c-635.64,340.73) -603.31,308.39 -599.29,312.41 ccw(c-683.7,410.01) -555,400.7 -555,660 ccw(c-560.96,662.49) -555,665 -635.64,676.14 ccw(c-782.79,365.13) -898.99,688.98 -928.26,700 -928.26,826.17 ccw(c-1001.69,819.79) -961.92,881.84 -1000.24,938.94 ccw(c-1017.74,925.93) -1014.58,947.51
PGND on Bottom Layer "NONET_L01_P-001" (solid, remove dead copper, pour order 1): 445,96.12 473.16,67.96 cw(c445.19,40) 484.74,40 484.74,-158.84 cw(c384.74,-158.84) 455.45,-229.55 424.29,-260.71 cw(c353.58,-190) 353.58,-290 -598.3,-290 cw(c-598.3,-190) -669.01,-260.71 -837.83,-91.89 cw(c-767.12,-21.18) -867.12,-21.18 -867.12,2.66 cw(c-840.12,2.66) -859.21,21.75 cw(c-838.35,0.89) -838.35,30.39 -800.16,30.39 cw(c-732.52,30.39) -780.35,78.22 -660.59,197.98 cw(c-589.88,127.26) -589.88,227.26 -409.1,227.26 cw(c-409.1,127.26) -338.39,197.98 -267.06,126.64 ccw(c-196.35,197.36) -196.35,97.36 195,97.36
GND on Top Layer "NONET_L01_P-001" (solid, remove dead copper, pour order 8): -1377.6,55.42 -885.18,55.42 ccw(c-885.18,120.86) -838.91,74.59 ccw(c-860.4,96.09) -830,96.09 -830,237.63 cw(c-730,237.63) -800.71,308.34 -667.66,441.39
GND on Top Layer "NONET_L01_P-001" (solid, remove dead copper, pour order 7): -1920,2298.54 1370.04,2298.54 cw(c1370.04,2198.54) 1440.75,2269.25 2420.71,1289.29 cw(c2350,1218.58) 2450,1218.58 2450,-610 856.42,-610 cw(c856.42,-510) 785.71,-580.71 684.29,-479.29 cw(c755,-408.58) 655,-408.58 655,104.43 630.65,128.79 ccw(c559.94,58.08) 559.94,158.08 -178.8,158.08 cw(c-178.8,251.36) -244.76,185.4 -277.02,217.66 cw(c-206.31,288.37) -306.31,288.37 -306.31,296.5 ccw(c-318.36,296.5) -309.84,305.02 -325.92,321.1 ccw(c-370.08,276.94) -370.08,339.39 -813.95,339.39 ccw(c-813.95,239.39) -884.66,310.11 -1335.71,-140.94 ccw(c-1265,-211.65) -1365,-211.65 -1365,-465 -1750.71,-850.71 cw(c-1821.42,-780) -1821.42,-880 -2650,-880
AGND on Top Layer "NONET_L01_P-001" (solid, remove dead copper, pour order 3): -1935,4705 ccw(c-1898.79,4668.79) -1950,4668.79 -1950,2295 -1279.73,2295 cw(c-1279.73,2195.01) -1209.02,2265.71 -1085,2141.69 cw(c-1155.7,2070.99) -1055.71,2070.98 -1055.71,1813.77 cw(c-1155.7,1813.77) -1085,1743.06 -1195.46,1632.6 ccw(c-1124.75,1561.89) -1224.75,1561.89 -1224.75,1417.87 ccw(c-1206.48,1417.87) -1219.4,1404.95 -1159.86,1345.41 cw(c-1219.99,1285.28) -1134.94,1285.27 -1209.02,850 ccw(c-984.97,776.36) -1195.46,670 -1079.42,590.71 ccw(c-1044.4,625.74) -1044.4,576.2 -881.16,576.2 ccw(c-881.16,641.77) -834.79,595.41 -349.66,1080.54 ccw(c-420.37,1151.24) -320.38,1151.25 -320.38,1533.76 cw(c-220.38,1533.76) -291.09,1604.47 -201.27,1694.29 cw(c-130.56,1623.58) -130.56,1723.58 -21.96,1723.58 ccw(c-21.96,1823.58) 48.75,1752.87 351.59,2055.71 cw(c422.3,1985) 422.3,2085 675.17,2085 cw(c675.17,1985.01) 745.88,2055.71 866.28,1935.31 ccw(c937,2006.02) 937,1906.02 1000,1906.02 ccw(c1080.72,2029.15) 1110.71,1885 1135.59,2025.59 ccw(c1065.01,2096.42) 1165,2096.42 1165,2628.58 cw(c1265,2628.58) 1194.29,2699.29 1970.71,3475.71 ccw(c1900.01,3546.42) 2000,3546.42 2000,4700
PGND on Top Layer "NONET_L01_P-001" (solid, remove dead copper, pour order 2): -964.29,39.29 ccw(c-964.29,-60.7) -1035,10 ccw(c-998.79,-26.21) -1050,-26.21 -1050,-101.77 ccw(c-950,-101.78) -1020.71,-172.48 -932.48,-260.71 ccw(c-861.77,-190) -861.77,-290 247.67,-290 ccw(c247.67,-190) 318.38,-260.71 426.01,-153.08 ccw(c368.1,-95.17) 450,-95.16 475,25 ccw(c377.93,33.45) 452.54,96.12 408.1,96.12 ccw(c391.41,17.87) 347.87,85 -171.31,85 cw(c-171.31,185) -242.02,114.29 -305.71,177.98 cw(c-232.89,235.9) -325.34,246.44 -325.34,280.34 ccw(c-353.87,278.52) -335,300 -354.33,315 ccw(c-386.13,272.38) -393.8,325 -524.6,325 ccw(c-524.61,273.81) -560.81,310 -586.78,284.04 ccw(c-542.15,239.4) -605.27,239.39 -605.27,161.15 cw(c-705.24,161.14) -634.56,90.44 -665,60 cw(c-714.99,109.98) -715,39.29

## Other copper
Top Layer:
  rectangle net NetJ4_2: -830,125 -735,185
  region net Vadj: -365,-100 -490.39,-100 cw(c-490.39,-16.14) -549.69,-75.44 ccw(c-584.06,-105.73) -581.18,-60 -595,-60 ccw(c-589.76,-95.78) -618.82,-74.26 -620,-75.44 ccw(c-607.93,-87.51) -625,-87.51 -625,-98 ccw(c-612.77,-98) -621.42,-106.65 -602.36,-125.71 ccw(c-531.65,-55) -531.65,-155 -367.07,-155 ccw(c-367.07,-137.93) -355,-150
  region net NetL4_1: -450,135 -448.44,133.44 -448.44,102.23 -425.11,102.23 -410.37,116.97 -410.37,156.83 -450,150.33 -448.44,118.75 -441.1,135 -441.1,126.1
  region net NetL4_2: -515,150 -511.13,146.13 -490.25,146.13 -490.25,109.99 -493.62,106.63 -513.95,106.63 -522.32,115
  text "中南大学" at 1860,620 h260 r90
  text "iMag v1.1" at 1995,468.68 h130 r90
Bottom Layer:
  rectangle net AGND: -990.72,1005 -645.16,1569.08
  rectangle net DVDD: 526.01,-26.62 580,66.2
  rectangle net NetJ4_2: -769.88,155 -698.9,260
  rectangle net VCC: 1140,405 1245,515
  pour cut-out: 796.17,1626.82 796.17,1499.21 ccw(c836.9,1499.21) 808.1,1470.41 814.45,1464.06 ccw(c885.16,1534.77) 885.16,1434.77 970.9,1434.77
  pour cut-out: -872.53,5.32 -1267.1,5.32 ccw(c-1267.1,-94.68) -1337.81,-23.97 -1355.31,-41.47 ccw(c-1328.85,-67.92) -1366.26,-67.92 -1366.26,-460
  pour cut-out: 510,-440 510,13.55 ccw(c410,13.55) 480.71,84.26 451.99,112.99 ccw(c447.65,108.65) 447.65,114.78 279.06,108.19 cw(c336.19,175.25) 248.37,168.23 248.37,174.78 259.02,185.43 cw(c279.05,165.39) 279.06,193.72 557.77,193.72 cw(c557.77,-98.28) 764.26,108.19 cw(c693.56,37.49) 793.55,37.48 793.55,-390
  pour cut-out: -770,395 -770,88.57 -757.14,101.43 ccw(c-795.87,140.16) -741.1,140.16
  pour cut-out: -751.4,104.95 -659.07,118.08 cw(c-659.07,73.24) -627.36,104.95
  region net Vadj: -636.8,-98.17 -632.16,-102.8 ccw(c-601,-71.63) -601,-115.71 -591.94,-115.71 ccw(c-591.94,-79.14) -566.08,-105 ccw(c-578.4,-92.68) -560.97,-92.68 -560.97,-4.58 cw(c-472.9,13.14) -547.7,62.89 -513.43,62.89 cw(c-509.92,123.14) -555,83.02
  region net Vm: -420,65 -398.02,65 ccw(c-398.02,80.73) -386.9,69.61 cw(c-351.64,34.35) -351.64,84.21 -341.87,84.21 ccw(c-341.87,108.07) -325,91.2 -325,111.91 ccw(c-425,111.91) -354.29,182.62 -366.67,195 ccw(c-378.74,182.93) -378.74,200 -386.9,200 ccw(c-386.9,192.51) -392.19,197.81 -396.46,193.54 ccw(c-387.93,185) -400,185 -400,139.58 cw(c-470.24,139.58) -420.57,89.91
  region net Vadj: -579.84,178.52 cw(c-661.22,178.52) -603.68,120.98 -630.83,93.83 -630.83,-55 -600.15,-55 ccw(c-600.15,-20.86) -576,-45 ccw(c-592.49,-28.51) -569.18,-28.51 -569.18,47.52 -565.18,51.51 cw(c-527.3,13.64) -527.3,67.2
  region net NetL4_1: -447.38,130.27 -449.23,133.2 ccw(c-412.83,122.93) -445.83,104.45 ccw(c-440.99,103.71) -445.51,101.84 -445.51,86.89 ccw(c-474.49,139.25) -416.97,122.72 -416.97,133.2 ccw(c-433.09,133.21) -421.7,144.62 -425,147.92 ccw(c-428.64,156.73) -419.82,153.09 ccw(c-425.81,128.08) -445.51,144.62
  region net NetL4_2: -504.88,151.5 -513.43,151.5 ccw(c-498.63,130.97) -523.62,135 ccw(c-495.43,134.78) -515.51,115 -489.19,88.67 ccw(c-484.88,92.98) -484.88,86.89 -479.62,119.19 -481.32,115.07 ccw(c-496.32,130.08) -480.2,116.27 ccw(c-505.23,126.64) -494.46,151.5
  region net Vadj: -555,185 -552.68,182.68 cw(c-595.36,140) -535,140 -535,135.14 ccw(c-484.86,135.14) -520.31,99.68 cw(c-536.95,83.05) -513.43,83.05 -513.43,77.05 cw(c-520.55,77.05) -515.51,72.01 -520.31,67.2 -523.99,67.2 cw(c-523.99,134.41) -571.52,86.89 cw(c-551.41,106.99) -579.84,106.99 -579.84,178.52 cw(c-570.67,178.52) -577.16,185
  text "github.com/CSU-iMag" at -1765,1215 h100 r90

## Silkscreen, mask and mechanical layers (free items; w line width, h text height)
Top Overlay:
  text "D" at 1081.48,2064.84 h60
  text "C" at 1081.48,1981.68 h60
  text "G" at 1081.48,1904.29 h60
  text "开" at 1580,1755 h100 r90
  text "开" at -985,-312.02 h100
Top Solder:
  text "中南大学" at 1860,620 h260 r90
Mechanical 1:
  lines w19.68: -1309.45,2265.12 -1309.45,4069.62 ; -1309.45,2266.7 -1309.45,2157.53 cw(c-1430.16,2157.53) -1344.8,2072.18 -1405.66,2011.33 -1748.86,1674.17 -1786.95,1636.08 ccw(c-1780.42,1629.55) -1789.66,1629.55 cw(c-4156.35,2176.87) -2243.99,678.98 -2243.99,-415.61 ccw(c-2123.28,-415.61) -2208.63,-500.96 -2114.35,-595.25 ccw(c-2028.99,-509.9) -2028.99,-630.61 -2013.99,-630.61 -1618.99,-630.61 ; -1309.45,3833.29 cw(c-1307.88,3833.29) -1308.99,3834.39 ; -1309.2,4069.62 ccw(c-1519.22,4069.62) -1508.99,4279.39 -1693.99,4279.39 cw(c-1693.99,4419.39) -1693.99,4559.39 -1378.99,4559.39 ccw(c-1378.99,4680.11) -1293.63,4594.75 -1288.99,4599.39 cw(c-1228.63,4539.04) -1228.63,4624.39 -813.99,4624.39 cw(c-813.99,4503.68) -728.63,4589.04 -724.35,4584.75 cw(c-809.7,4499.39) -688.99,4499.39 -688.99,2580.35 ; -689.19,2580.55 ccw(c-375.14,2580.55) -375.14,2266.5 375.12,2266.5 ccw(c375.12,2580.55) 689.16,2580.55 ; 688.96,2580.35 688.96,4499.39 cw(c809.67,4499.39) 724.32,4584.75 728.61,4589.04 cw(c813.96,4503.68) 813.96,4624.39 1228.61,4624.39 cw(c1228.61,4539.04) 1288.96,4599.39 1293.61,4594.75 ccw(c1378.96,4680.11) 1378.96,4559.39 1693.96,4559.39 cw(c1693.96,4419.39) 1693.96,4279.39 1508.96,4279.39 ccw(c1519.19,4069.62) 1309.17,4069.62 ; 1308.96,3834.39 cw(c1307.85,3833.29) 1309.42,3833.29 ; 1309.42,2157.53 1309.42,2266.7 ; 1309.42,2265.12 1309.42,4069.62 ; 1309.45,2155.96 1309.45,2265.12 ; 1309.45,2157.53 ccw(c1430.16,2157.53) 1344.8,2072.18 1405.65,2011.33 1748.86,1674.17 1768.05,1654.98 cw(c1724.64,1611.58) 1786.03,1611.58 ccw(c4193.72,2135.93) 2243.67,629.53 2243.67,-135.61 2243.67,-137.94 cw(c2122.96,-137.94) 2208.32,-223.3 2139.03,-292.59 cw(c2053.67,-207.23) 2053.67,-327.94 -1216.33,-327.94 ccw(c-1216.33,-448.65) -1301.68,-363.3 -1533.63,-595.25 cw(c-1618.99,-509.89) -1618.99,-630.61 ; -1618.99,-630.61 ccw(c-1618.99,-630.61) -1618.99,-630.61
Mechanical 15:
  lines w19.68: -2125.98,0 2125.98,0 ; -1153.56,4507.87 0,4507.87 ; -354.33,688.98 354.33,688.98 ; -354.33,1870.08 354.33,1870.08 ; 0,0 0,1870.08 0,4507.87 ; 1153.53,4507.87 0,4507.87

## Dimensions
-2250,-375 to 2245,-115 on Mechanical 15
-2028.99,-630.61 to -1225,4625 on Mechanical 15

## Text inside footprints (layer, text, board x,y; h text height)
Beep1.2: Bottom Overlay "+" at 1264.07,464.5 h80
J1: Top Overlay "2" at 1206,-160.61 h60 r180; Top Overlay "1" at 1195,-56.61 h60 r180
J2: Top Overlay "2" at 1847.01,-160.61 h60 r180; Top Overlay "1" at 1836.01,-56.61 h60 r180
U1: Top Overlay "CoreBoard V1.2" at 701.01,389.39 h80; Top Overlay "IMX-RT1064 xVL" at 701.01,464.39 h80